# Altium PCB Nestling_2.x_EXB.PcbDoc (part 2 of 2)
Units mm, origin at the board's own origin, x right, y up, seen from the top; angles counter-clockwise.
Board outline 140 x 90 mm, 2 copper layers (Top Layer, Bottom Layer); 103 components, 167 nets, 700 pads, 183 vias.
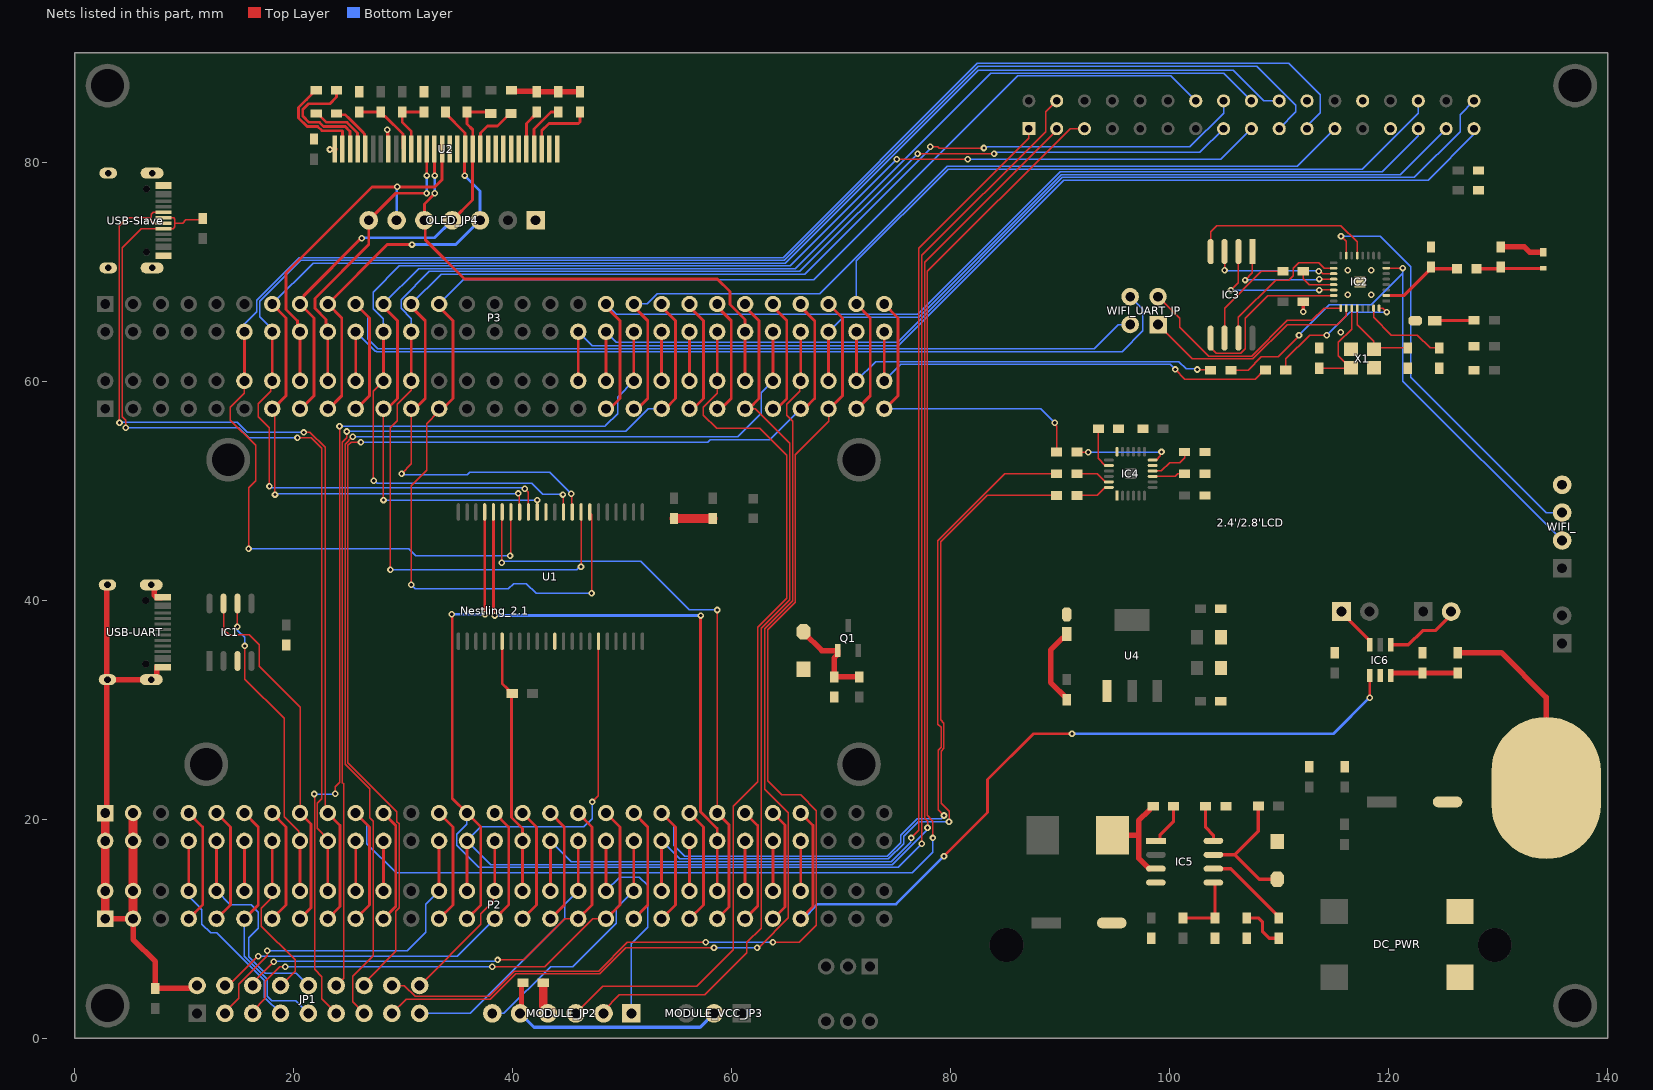
[diagram p2: the nets of this part, all layers, seen from the top]

## Via types
v1: diameter 0.6, hole 0.3, Top Layer to Bottom Layer, 181 vias
v2: diameter 1.8, hole 1.8, Top Layer to Bottom Layer, 1 vias
v3: diameter 1.6, hole 1.6, Top Layer to Bottom Layer, 1 vias

## Nets (pads, with @x,y where several pads share a name; then routed paths per layer and width w, separated by ;. In a path a pad name is that pad's centre, name@x,y a point inside that pad or via, vN(x,y) a via of type N, cw(c..) or ccw(c..) an arc to the next point about the centre after c; other vN are vias at no path point) (continued)
FSMC_D8: 2.4'/2.8'LCD.14 Nestling_2.1.83 P3.25 U1.29 | length 131.1
  Top Layer w0.127: v1(30.734,41.409) 30.734,50.471 32.131,51.868 32.131,56.134 Nestling_2.1.83@33.207,57.21 ; Nestling_2.1.83@33.274,57.277 Nestling_2.1.83@33.274,57.494 ; U1.29@47.031,48.064 46.99,48.023 47.193,47.82 v1(47.193,40.64)
  Top Layer w0.254: Nestling_2.1.83@33.271,57.147 33.337,57.213 34.544,58.42 34.544,65.529 P3.25@33.274,66.799
  Bottom Layer w0.127: v1(30.734,41.409) 31.104,41.039 39.602,41.039 40.092,41.529 41.24,41.529 42.129,40.64 v1(47.193,40.64) ; P3.25@33.274,67.056 35.485,69.267 67.489,69.267 86.106,87.884 100.08,87.884 2.4'/2.8'LCD.14@102.36,85.604
FSMC_D9: 2.4'/2.8'LCD.15 Nestling_2.1.82 P3.24 U1.30 | length 130.3
  Top Layer w0.127: v1(28.829,42.799) 28.829,55.753 29.464,56.388 29.464,57.912 30.72,59.168 30.72,60.02 Nestling_2.1.82@30.734,60.034 ; v1(46.228,43.053) 46.229,43.054 46.229,48.063 U1.30@46.231,48.064 ; v1(76.962,80.772) v1(83.947,80.772)
  Top Layer w0.254: Nestling_2.1.82@30.734,60.034 P3.24@30.734,64.516
  Bottom Layer w0.127: v1(28.829,42.799) 45.846,42.799 46.1,43.053 v1(46.228,43.053) ; P3.24@30.734,64.516 30.734,65.726 29.793,66.666 29.793,67.446 32.376,70.029 66.219,70.029 v1(76.962,80.772) ; v1(83.947,80.772) 83.947,80.899 102.735,80.899 2.4'/2.8'LCD.15@104.9,83.064 2.4'/2.8'LCD.15@104.9,82.771
FSMC_D10: 2.4'/2.8'LCD.16 Nestling_2.1.81 P3.23 U1.31 | length 117.8
  Top Layer w0.127: v1(29.845,51.562) 30.734,52.451 30.734,57.152 30.797,57.215 30.797,57.43 Nestling_2.1.81@30.734,57.494 ; v1(45.339,49.721) 45.398,49.662 45.398,48.097 U1.31@45.431,48.064 ; v1(78.105,81.407) 78.808,81.407 78.918,81.298 v1(83.017,81.298)
  Top Layer w0.254: P3.23@30.734,66.8 32.004,65.53 32.004,58.422 Nestling_2.1.81@30.797,57.215
  Bottom Layer w0.127: v1(29.845,51.562) 29.929,51.478 35.839,51.478 36.058,51.697 43.363,51.697 v1(45.339,49.721) ; P3.23@30.734,67.056 33.453,69.775 66.658,69.775 78.014,81.131 78.014,81.316 v1(78.105,81.407) ; v1(83.017,81.298) 83.107,81.388 83.293,81.388 83.312,81.407 101.821,81.407 104.9,84.486 2.4'/2.8'LCD.16@104.9,85.604
FSMC_D11: 2.4'/2.8'LCD.17 Nestling_2.1.80 P3.22 U1.32 | length 124.1
  Top Layer w0.127: v1(27.305,50.927) 27.253,50.979 27.253,59.093 Nestling_2.1.80@28.194,60.034 ; v1(44.577,49.657) 44.604,49.63 44.604,48.091 U1.32@44.631,48.064 ; v1(75.057,80.264) v1(81.534,80.264)
  Top Layer w0.254: Nestling_2.1.80@28.194,60.034 P3.22@28.194,64.516
  Bottom Layer w0.127: v1(27.305,50.927) 27.387,50.927 27.616,50.698 41.753,50.698 42.752,49.7 44.534,49.7 v1(44.577,49.657) ; P3.22@28.194,64.516 28.194,65.696 27.253,66.637 27.253,68.14 29.65,70.537 65.33,70.537 v1(75.057,80.264) ; v1(81.534,80.264) 104.64,80.264 2.4'/2.8'LCD.17@107.44,83.064 2.4'/2.8'LCD.17@107.44,82.802
FSMC_D12: 2.4'/2.8'LCD.18 Nestling_2.1.79 P3.21 U1.35 | length 123.2
  Top Layer w0.127: v1(28.194,49.149) 28.194,57.152 Nestling_2.1.79@28.194,57.494 ; U1.35@42.231,48.064 42.219,48.076 42.219,49.137 v1(42.231,49.149)
  Top Layer w0.254: Nestling_2.1.79@28.191,57.148 28.194,57.152 29.464,58.422 29.464,65.53 P3.21@28.194,66.8
  Bottom Layer w0.127: v1(28.194,49.149) v1(42.231,49.149) ; P3.21@28.194,67.056 31.421,70.283 65.769,70.283 83.625,88.138 104.906,88.138 2.4'/2.8'LCD.18@107.44,85.604
FSMC_D13: 2.4'/2.8'LCD.19 Nestling_2.1.72 P3.14 U1.36 | length 151.8
  Top Layer w0.127: v1(17.78,50.419) 17.78,55.753 16.764,56.769 16.764,57.962 17.896,59.093 17.896,59.896 Nestling_2.1.72@18.034,60.034 ; v1(41.097,50.19) 41.416,49.871 41.416,48.078 U1.36@41.431,48.064
  Top Layer w0.254: Nestling_2.1.72@18.034,60.034 P3.14@18.034,64.516
  Bottom Layer w0.127: v1(17.78,50.419) 17.925,50.274 41.013,50.274 v1(41.097,50.19) ; P3.14@18.034,64.516 18.034,64.77 16.891,65.913 16.891,67.31 20.626,71.045 64.785,71.045 82.513,88.773 107.95,88.773 111.506,85.217 111.506,84.59 2.4'/2.8'LCD.19@109.98,83.064
FSMC_D14: 2.4'/2.8'LCD.20 Nestling_2.1.71 P3.13 U1.37 | length 144.5
  Top Layer w0.127: Nestling_2.1.71@18.034,57.494 18.078,57.45 18.27,57.258 18.27,49.675 v1(18.288,49.657) ; v1(40.488,49.759) 40.598,49.648 40.598,48.097 U1.37@40.631,48.064
  Top Layer w0.254: P3.13@18.034,67.054 19.304,65.784 19.304,58.676 Nestling_2.1.71@18.078,57.45
  Bottom Layer w0.127: P3.13@18.034,67.056 21.769,70.791 64.89,70.791 82.491,88.392 105.77,88.392 108.558,85.604 2.4'/2.8'LCD.20@109.98,85.604 ; v1(18.288,49.657) 18.351,49.721 40.45,49.721 v1(40.488,49.759)
FSMC_D15: 2.4'/2.8'LCD.21 Nestling_2.1.70 P3.12 U1.38 | length 163.9
  Top Layer w0.127: Nestling_2.1.70@15.494,60.034 15.494,58.892 14.224,57.622 14.224,56.432 16.51,54.146 16.51,50.927 15.875,50.292 v1(15.875,44.704) ; v1(39.751,44.069) 39.831,44.149 U1.38@39.831,48.064
  Top Layer w0.254: Nestling_2.1.70@15.494,60.034 P3.12@15.494,64.516
  Bottom Layer w0.127: P3.12@15.494,64.516 15.494,65.188 16.637,66.331 16.637,67.415 20.52,71.299 64.679,71.299 82.408,89.027 110.871,89.027 113.739,86.159 113.739,84.537 112.52,83.318 2.4'/2.8'LCD.21@112.52,83.064 ; v1(15.875,44.704) 30.507,44.704 31.142,44.069 v1(39.751,44.069)
FSMC_NBL0: Nestling_2.1.45 P2.45 U1.39 | length 55.3
  Top Layer w0.127: v1(38.989,43.434) 39.01,43.455 39.01,48.043 U1.39@39.031,48.064 ; v1(58.671,39.116) 58.672,39.114 58.672,20.576 Nestling_2.1.45@58.674,20.574
  Top Layer w0.254: P2.45@58.671,10.92 59.741,11.99 59.741,19.506 Nestling_2.1.45@58.674,20.572
  Bottom Layer w0.127: v1(38.989,43.434) 39.098,43.543 51.707,43.543 56.134,39.116 v1(58.671,39.116)
FSMC_NBL1: Nestling_2.1.46 P2.46 U1.40 | length 54
  Top Layer w0.254: U1.40@38.231,48.064 38.231,38.825 38.354,38.702 v1(38.354,38.608) ; v1(57.15,38.608) 57.138,38.596 57.138,20.69 58.663,19.165 58.663,18.045 Nestling_2.1.46@58.674,18.034 ; P2.46@58.674,13.507 Nestling_2.1.46@58.674,17.989
  Bottom Layer w0.254: v1(38.354,38.608) v1(57.15,38.608)
FSMC_NE3: Nestling_2.1.32 P2.32 R10.1 U1.6 | length 23.5
  Top Layer w0.254: U1.6@39.031,36.264 39.031,32.421 39.575,31.877 39.575,31.769 39.848,31.496 R10.1@39.956,31.496 ; R10.1@40.079,31.373 39.89,31.184 39.89,20.158 40.883,19.165 40.883,18.045 Nestling_2.1.32@40.894,18.034 ; P2.32@40.891,13.253 P2.32@40.891,13.462 Nestling_2.1.32@40.891,17.735
FSMC_NE4: 2.4'/2.8'LCD.1 Nestling_2.1.34 P2.34 | length 108.9
  Top Layer w0.127: v1(76.391,18.306) 77.089,19.003 77.089,29.083 77.089,72.136 87.12,82.167 2.4'/2.8'LCD.1@87.12,83.064
  Top Layer w0.254: P2.34@43.431,13.253 P2.34@43.431,13.462 Nestling_2.1.34@43.431,17.735
  Bottom Layer w0.127: Nestling_2.1.34@43.434,18.034 45.339,16.129 74.549,16.129 76.339,17.919 76.339,18.253 v1(76.391,18.306) ; 2.4'/2.8'LCD.1@87.12,82.675 2.4'/2.8'LCD.1@87.12,83.064
FSMC_NOE: 2.4'/2.8'LCD.4 Nestling_2.1.27 P2.27 U1.41 | length 162.3
  Top Layer w0.127: v1(77.343,17.771) 77.343,29.083 77.343,71.501 88.646,82.804 88.646,84.59 2.4'/2.8'LCD.4@89.66,85.604
  Top Layer w0.254: v1(34.417,38.735) 34.477,38.675 34.477,21.911 Nestling_2.1.27@35.814,20.574 ; P2.27@35.811,10.919 37.084,12.192 37.084,19.301 Nestling_2.1.27@35.814,20.571 ; U1.41@37.431,48.064 37.431,38.765 v1(37.461,38.735)
  Bottom Layer w0.127: Nestling_2.1.27@35.814,20.574 35.814,19.563 34.873,18.622 34.873,17.644 36.897,15.621 75.193,15.621 v1(77.343,17.771)
  Bottom Layer w0.254: v1(34.417,38.735) v1(37.461,38.735)
FSMC_NWE: 2.4'/2.8'LCD.3 Nestling_2.1.28 P2.28 U1.17 | length 146.6
  Top Layer w0.127: v1(47.244,21.59) 47.798,22.144 47.798,36.231 U1.17@47.831,36.264 ; v1(77.866,19.244) 77.866,19.832 77.597,20.102 77.597,29.083 77.597,70.866 89.66,82.929 2.4'/2.8'LCD.3@89.66,83.064
  Top Layer w0.254: P2.28@35.814,13.507 Nestling_2.1.28@35.814,17.989
  Bottom Layer w0.127: v1(47.244,21.59) 47.244,20.066 46.482,19.304 37.084,19.304 Nestling_2.1.28@35.814,18.034 37.973,15.875 74.654,15.875 77.866,19.087 v1(77.866,19.244)
GND: 2.4'/2.8'LCD.22 2.4'/2.8'LCD.26 2.4'/2.8'LCD.27 3V3_PWR.2 ANT1.2 C1.2 C2.1 C3.1 C4.1 C5.1 C8.2 C9.2 C10.2 C11.2 C12.2 C13.1 C14.1 C15.1 C16.1 C17.2 C18.2 C19.2 C20.1 C21.2 C22.2 C23.2 C26.2 C27.2 C28.2 C29.2 C30.2 C31.2 C32.2 C33.2 C34.2 C35.1 C36.2 C37.1 C38.1 DC_PWR.2 DC_PWR.3 DZ1.1 DZ2.1 IC1.3 IC2.13 IC2.33 IC3.4 IC4.1 IC4.11 IC4.18 IC5.4 IC6.2 JP1.2 LED1.2 MODULE_JP2.4 Nestling_2.1.1 Nestling_2.1.2 Nestling_2.1.3 Nestling_2.1.4 OLED_JP4.1 P2.1 P2.2 P2.3 P2.4 R2.1 R3.1 R8.1 R14.2 R18.1 R21.1 R22.1 R24.2 U1.12 U1.34 U2.1 U2.8 U2.12 U2.16 U2.17 U2.21 U2.22 U2.23 U2.24 U2.25 U2.29 U2.30 U4.1 USB-Slave.1 USB-Slave.2 USB-Slave.3 USB-Slave.4 USB-Slave.A1 USB-Slave.A12 USB-Slave.B1 USB-Slave.B12 USB-UART.1 USB-UART.2 USB-UART.3 USB-UART.4 USB-UART.A1 USB-UART.A12 USB-UART.B1 USB-UART.B12 WIFI_.4 X1.2 X1.4 | length 106.6
  Top Layer w0.127: IC3.4@103.718,71.844 103.718,73.67 104.267,74.219 115.621,74.219 117.098,72.742 IC2.13@117.098,71.479
  Top Layer w0.254: P2.2@2.794,13.761 Nestling_2.1.2@2.794,18.034 ; P2.4@5.334,13.761 Nestling_2.1.4@5.334,18.034
  Top Layer w0.3: v1(28.541,82.962) 28.595,82.907 28.595,81.254 U2.8@28.645,81.204 ; v1(112.179,66.346) C34.2@112.179,67.252
  Top Layer w0.5: P2.1@2.791,10.922 P2.3@5.331,10.922 5.331,9.045 7.366,7.01 C18.2@7.366,4.572 10.922,4.572 JP1.2@11.176,4.826 ; Nestling_2.1.1@2.794,20.574 2.941,20.721 USB-UART.1@2.941,32.759 ; USB-UART.2@2.941,41.409 USB-UART.1@2.941,32.759 ; USB-UART.4@6.941,32.759 USB-UART.1@2.941,32.759 ; USB-UART.3@7.033,41.409 7.264,41.178 7.264,40.451 7.481,40.234 7.881,40.234 USB-UART.A1@7.881,40.334 ; USB-UART.4@7.481,32.99 USB-UART.B1@7.481,33.934 ; v1(23.304,81.161) 23.703,81.161 U2.1@23.745,81.204 ; C28.2@39.878,86.563 39.941,86.5 42.126,86.5 R18.1@42.189,86.436 C26.2@44.164,86.436 C27.2@46.139,86.436 ; C30.2@130.198,72.273 132.358,72.273 132.842,71.789 ANT1.2@134.087,71.789
  Top Layer w0.8: P2.1@2.791,10.922 2.792,10.924 2.792,20.572 Nestling_2.1.1@2.794,20.574 ; P2.3@5.331,10.922 5.332,10.924 5.332,20.572 Nestling_2.1.3@5.334,20.574 ; C19.2@42.778,5.08 42.778,2.957 43.206,2.53 MODULE_JP2.4@43.206,2.286 ; C14.1@54.716,47.463 C15.1@58.272,47.463
  other v1: 115.598,64.481 116.23,67.894 118.389,67.894 116.23,70.129 118.389,70.129
LCD_BL: 2.4'/2.8'LCD.23 Nestling_2.1.97 P3.39 | length 81.3
  Top Layer w0.254: Nestling_2.1.97@51.051,57.148 52.324,58.422 52.324,65.53 P3.39@51.054,66.8
  Bottom Layer w0.127: P3.39@51.054,67.056 52.264,67.056 53.204,67.997 68.018,67.997 79.651,79.629 111.625,79.629 2.4'/2.8'LCD.23@115.06,83.064
LCD_RST: 2.4'/2.8'LCD.5 Nestling_2.1.19 P2.19 | length 140.5
  Top Layer w0.127: v1(78.359,18.306) 78.359,19.848 77.851,20.356 77.851,29.083 77.851,70.025 90.884,83.058 2.4'/2.8'LCD.5@92.202,83.058
  Top Layer w0.254: P2.19@25.651,10.919 26.924,12.192 26.924,19.301 Nestling_2.1.19@25.654,20.571
  Bottom Layer w0.127: Nestling_2.1.19@25.654,20.574 26.674,19.554 26.674,17.776 29.337,15.113 76.454,15.113 78.359,17.018 v1(78.359,18.306)
MODULE_EN: MODULE_JP2.6 Nestling_2.1.40 P2.40 | length 22.8
  Top Layer w0.254: P2.40@51.051,13.253 P2.40@51.051,13.462 Nestling_2.1.40@51.051,17.735
  Bottom Layer w0.127: MODULE_JP2.6@38.126,2.286 39.195,2.286 43.468,6.56 45.479,6.56 49.451,10.532 49.451,11.863 P2.40@51.051,13.462
MODULE_PWR: C19.1 MODULE_JP2.5 MODULE_VCC_JP3.2 | length 21.7
  Top Layer w0.5: MODULE_JP2.5@40.666,2.286 40.795,2.415 40.795,4.951 C19.1@40.924,5.08
  Bottom Layer w0.3: MODULE_JP2.5@40.666,2.286 41.936,1.016 57.103,1.016 MODULE_VCC_JP3.2@58.373,2.286
MODULE_RXD: MODULE_JP2.2 Nestling_2.1.105 P3.47 | length 79.3
  Top Layer w0.127: MODULE_JP2.2@48.286,2.286 48.286,2.515 49.733,3.962 57.531,3.962 61.368,7.8 61.368,8.769 62.674,10.075 62.674,19.561 62.674,37.427 65.303,40.056 65.303,54.331 62.155,57.479 61.542,57.479 61.229,57.479 Nestling_2.1.105@61.214,57.494
  Top Layer w0.254: P3.47@61.214,66.8 62.484,65.53 62.484,58.422 Nestling_2.1.105@61.542,57.479
MODULE_STATE: MODULE_JP2.1 Nestling_2.1.38 P2.38 | length 21.4
  Top Layer w0.254: P2.38@48.511,13.253 P2.38@48.511,13.462 Nestling_2.1.38@48.511,17.735
  Bottom Layer w0.127: P2.38@48.511,13.462 49.781,14.732 51.562,14.732 52.324,13.97 52.324,10.16 50.826,8.662 MODULE_JP2.1@50.826,2.286
MODULE_TXD: MODULE_JP2.3 Nestling_2.1.104 P3.46 | length 81.3
  Top Layer w0.127: MODULE_JP2.3@45.746,2.286 48.21,4.75 56.808,4.75 60.147,8.089 60.147,21.209 62.382,23.444 62.382,37.53 65.024,40.172 65.024,53.238 62.563,55.699 58.604,55.699 57.404,56.899 57.404,57.646 58.674,58.916 Nestling_2.1.104@58.674,60.034
  Top Layer w0.254: Nestling_2.1.104@58.674,60.034 P3.46@58.674,64.516
MPU6050_INT: Nestling_2.1.115 P3.57 R13.1 | length 29.5
  Top Layer w0.127: v1(89.484,56.21) 89.484,56.082 89.656,55.911 R13.1@89.656,53.546
  Top Layer w0.254: Nestling_2.1.115@73.911,57.401 75.184,58.674 75.184,65.783 P3.57@73.914,67.053
  Bottom Layer w0.127: Nestling_2.1.115@73.914,57.494 88.2,57.494 v1(89.484,56.21)
MPU6050_SCL: Nestling_2.1.41 P2.41 R11.1 | length 80.1
  Top Layer w0.127: v1(79.372,20.349) 78.849,20.872 78.849,26.322 79.103,26.576 79.103,28.415 78.816,28.702 78.816,45.444 84.93,51.558 R11.1@89.656,51.558
  Top Layer w0.254: P2.41@53.591,10.919 54.864,12.192 54.864,19.301 Nestling_2.1.41@53.594,20.571
  Bottom Layer w0.127: Nestling_2.1.41@53.594,20.574 54.686,19.482 54.686,17.644 55.694,16.637 74.199,16.637 75.438,17.876 75.438,18.546 76.933,20.041 79.121,20.041 79.372,20.291 v1(79.372,20.349)
MPU6050_SDA: Nestling_2.1.42 P2.42 R12.1 | length 71.6
  Top Layer w0.127: v1(79.832,19.787) 79.862,19.817 79.862,20.719 79.103,21.477 79.103,26.217 79.357,26.471 79.357,28.796 79.07,29.083 79.07,45.339 83.301,49.57 R12.1@89.656,49.57
  Top Layer w0.254: P2.42@53.591,13.253 P2.42@53.591,13.462 Nestling_2.1.42@53.591,17.735
  Bottom Layer w0.127: Nestling_2.1.42@53.594,18.034 55.245,16.383 74.304,16.383 75.692,17.771 75.692,18.441 77.038,19.787 v1(79.832,19.787)
Net3V3_PWR_1: 3V3_PWR.1 R6.1 | length 7.4
  Top Layer w0.5: R6.1@90.58,30.924 90.58,31.032 89.099,32.513 89.099,35.461 90.195,36.557 90.386,36.557 90.58,36.752 3V3_PWR.1@90.58,36.942
NetANT1_1: ANT1.1 C30.1 L2.1 | length 6.2
  Top Layer w0.3: L2.1@127.991,70.266 130.198,70.266 130.351,70.419 130.464,70.306 ANT1.1@134.087,70.306
NetC5_2: C5.2 IC5.8 | length 3.5
  Top Layer w0.3: C5.2@103.251,21.209 103.251,19.262 103.971,18.542 IC5.8@103.971,18.034
NetC6_1: C6.1 R3.2 | length 4.2
  Top Layer w0.3: R3.2@107.023,10.998 108.077,10.998 108.458,10.617 108.458,9.74 109.054,9.144 C6.1@109.931,9.144
NetC6_2: C6.2 IC5.6 | length 7.9
  Top Layer w0.3: IC5.6@103.971,15.494 105.562,15.494 109.931,11.125 C6.2@109.931,10.998
NetC7_1: C7.1 IC5.3 L1.1 | length 9.8
  Top Layer w0.3: 97.1,18.542 97.141,18.583 ; IC5.3@98.096,15.494 IC5.3@98.721,15.494 ; C7.1@98.118,20.851 98.118,20.978 98.349,21.209 C7.1@98.476,21.209
  Top Layer w0.5: L1.1@94.742,18.542 97.1,18.542 ; IC5.3@98.096,15.494 97.141,16.449 97.141,18.583 97.141,19.874 C7.1@98.118,20.851
NetC7_2: C7.2 IC5.1 | length 4
  Top Layer w0.3: IC5.1@98.721,18.034 98.979,18.034 99.104,18.159 99.104,18.583 100.33,19.809 C7.2@100.33,21.209
NetC21_1: C21.1 IC4.20 | length 3.9
  Top Layer w0.127: C21.1@93.466,55.666 93.466,52.957 94.115,52.308 IC4.20@94.425,52.308
NetC23_1: C23.1 IC4.10 | length 4
  Top Layer w0.127: IC4.10@98.425,51.808 99.23,51.808 99.98,52.558 100.895,52.558 101.34,53.003 C23.1@101.34,53.546
NetC24_1: C24.1 U2.2 | length 9.4
  Top Layer w0.254: C24.1@22.056,86.563 21.929,86.563 21.675,86.309 21.675,86.222 21.178,85.725 20.447,84.994 20.447,84.043 21.229,83.261 22.183,83.261 22.564,82.88 24.384,82.88 24.445,82.819 U2.2@24.445,81.204
NetC24_2: C24.2 U2.3 | length 11.3
  Top Layer w0.254: C24.2@23.91,86.563 23.91,85.95 23.304,85.344 21.336,85.344 20.828,84.836 20.828,84.201 21.387,83.642 22.352,83.642 22.733,83.261 24.703,83.261 25.145,82.819 U2.3@25.145,81.204
NetC25_1: C25.1 U2.4 | length 6
  Top Layer w0.254: C25.1@22.056,84.455 22.183,84.455 22.996,83.642 24.861,83.642 25.832,82.671 25.832,81.217 U2.4@25.845,81.204
NetC25_2: C25.2 U2.5 | length 4.7
  Top Layer w0.254: C25.2@23.91,84.455 24.036,84.329 24.712,84.329 25.019,84.023 26.299,82.742 26.472,82.569 26.472,81.277 U2.5@26.545,81.204
NetC26_1: C26.1 U2.27 | length 4.7
  Top Layer w0.254: U2.27@41.945,81.204 41.945,83.042 43.485,84.582 C26.1@44.164,84.582
NetC27_1: C27.1 U2.28 | length 6.4
  Top Layer w0.254: U2.28@42.645,81.204 42.645,82.88 43.295,83.53 45.991,83.53 46.139,83.679 C27.1@46.139,84.582
NetC31_1: C31.1 IC2.2 L2.2 | length 7.5
  Top Layer w0.3: IC2.2@119.748,67.828 121.372,67.828 123.835,70.292 123.861,70.266 L2.2@126.213,70.266
NetC35_2: C35.2 IC2.28 X1.1 | length 7.5
  Top Layer w0.127: IC2.28@117.098,66.678 117.098,65.153 118.598,63.653 118.598,62.956 X1.1@118.627,62.928 118.74,63.041 C35.2@121.709,63.041
NetC36_1: C36.1 IC2.27 X1.3 | length 9.4
  Top Layer w0.127: C36.1@113.64,61.187 116.486,61.187 X1.3@116.527,61.228 116.477,61.228 115.398,62.306 115.39,62.306 115.39,63.544 116.598,64.752 IC2.27@116.598,66.678
NetC38_2: C38.2 IC6.3 R28.1 | length 6.3
  Top Layer w0.5: IC6.3@120.153,33.144 120.153,33.363 C38.2@123.063,33.363 R28.1@126.284,33.363
NetDZ1_2: DZ1.2 IC5.7 R4.1 | length 12.1
  Top Layer w0.3: IC5.7@103.971,16.764 105.918,16.764 ; R4.1@108.077,21.209 108.077,18.923 105.918,16.764 ; DZ1.2@109.804,14.541 108.14,14.541 105.918,16.764
NetDZ2_2: DZ2.2 Q1.1 R7.1 R8.2 | length 8.7
  Top Layer w0.5: DZ2.2@66.548,37.132 66.548,37.069 68.215,35.402 Q1.1@69.662,35.402 69.662,35.052 69.342,34.732 R8.2@69.342,33.013 R7.1@71.628,33.013
NetIC2_21: IC2.21 R25.2 | length 3.7
  Top Layer w0.127: R25.2@112.179,70.046 112.179,69.355 112.706,68.829 IC2.21@114.948,68.829
NetIC2_25: IC2.25 WIFI_UART_JP.3 | length 21.2
  Top Layer w0.127: WIFI_UART_JP.3@98.914,67.721 98.932,67.721 100.895,65.757 100.895,64.943 103.532,62.306 107.482,62.306 110.731,65.555 112.962,65.555 114.085,66.678 IC2.25@115.598,66.678
NetIC2_26: IC2.26 WIFI_UART_JP.1 | length 20.8
  Top Layer w0.127: WIFI_UART_JP.1@98.914,65.181 102.061,62.034 107.569,62.034 110.716,65.181 115.28,65.181 116.098,65.999 IC2.26@116.098,66.678
NetIC2_31: IC2.31 R24.1 | length 8
  Top Layer w0.127: IC2.31@118.598,66.678 118.598,65.832 120.22,64.211 122.595,64.211 123.765,63.041 R24.1@124.587,63.041
NetIC4_9: IC4.9 R14.1 | length 3
  Top Layer w0.127: IC4.9@98.425,51.308 100.466,51.308 100.716,51.558 R14.1@101.34,51.558
NetIC4_12: IC4.12 R13.2 | length 9
  Top Layer w0.127: R13.2@91.51,53.546 91.538,53.518 v1(92.532,53.518) ; IC4.12@98.425,52.808 98.735,52.808 99.139,53.212 99.139,53.455 v1(99.23,53.546)
  Bottom Layer w0.127: v1(92.532,53.518) 92.546,53.532 99.216,53.532 v1(99.23,53.546)
NetIC4_23: IC4.23 R11.2 | length 3.2
  Top Layer w0.127: R11.2@91.51,51.558 93.365,51.558 94.115,50.808 IC4.23@94.425,50.808
NetIC4_24: IC4.24 R12.2 | length 3.2
  Top Layer w0.127: R12.2@91.51,49.57 93.377,49.57 94.115,50.308 IC4.24@94.425,50.308
NetIC5_5: IC5.5 R2.2 R5.2 | length 6.2
  Top Layer w0.3: R5.2@101.206,10.998 R2.2@104.115,10.998 104.115,14.109 103.999,14.224 IC5.5@103.971,14.224
NetIC6_4: IC6.4 TP_JP2.2 | length 6.9
  Top Layer w0.3: IC6.4@120.153,35.944 121.772,35.944 123.068,37.241 124.235,37.241 125.676,38.681 TP_JP2.2@125.676,38.974
NetIC6_6: IC6.6 TP_JP1.1 | length 4.1
  Top Layer w0.3: TP_JP1.1@115.67,38.974 116.37,38.274 116.37,38.177 118.253,36.294 IC6.6@118.253,35.944
NetKEY_TP_1: KEY_TP.1 R28.2 | length 18
  Top Layer w0.5: R28.2@126.284,35.217 130.264,35.217 134.349,31.132 KEY_TP.1@134.349,22.86
NetLED1_1: LED1.1 R23.1 | length 3.6
  Top Layer w0.3: LED1.1@124.178,65.53 124.203,65.555 127.754,65.555 R23.1@127.78,65.581
NetR17_2: R17.2 U2.20 | length 5
  Top Layer w0.254: U2.20@37.045,81.204 37.045,82.677 37.681,83.312 38.589,83.312 39.732,84.455 R17.2@39.84,84.455
NetR18_2: R18.2 U2.26 | length 3.8
  Top Layer w0.254: U2.26@41.245,81.204 41.245,83.53 42.189,84.474 R18.2@42.189,84.582
NetR19_1: R19.1 R21.2 U2.11 | length 5.7
  Top Layer w0.254: U2.11@30.745,81.204 30.723,81.226 30.723,82.835 29.916,83.642 R19.1@29.916,84.582 R21.2@31.882,84.582
NetR20_1: R20.1 R22.2 U2.10 | length 6.3
  Top Layer w0.254: R22.2@25.984,84.582 R20.1@27.95,84.582 27.95,84.474 28.223,84.201 28.331,84.201 29.972,82.56 29.972,81.277 U2.10@30.045,81.204
OLED_CS: Nestling_2.1.76 OLED_JP4.7 P3.18 U2.13 | length 27.5
  Top Layer w0.254: Nestling_2.1.76@23.114,60.034 P3.18@23.114,64.516 22.951,64.679 22.951,65.647 21.929,66.669 21.929,67.564 26.848,72.483 OLED_JP4.7@26.848,74.701 29.311,77.165 30.29,77.165 30.297,77.172 v1(32.131,77.172) ; v1(32.145,78.783) U2.13@32.145,81.204
  Bottom Layer w0.254: v1(32.131,77.172) 32.138,77.179 32.138,78.761 32.131,78.768 v1(32.145,78.783)
OLED_DC: Nestling_2.1.74 OLED_JP4.6 P3.16 U2.15 | length 34
  Top Layer w0.254: Nestling_2.1.74@20.574,60.034 P3.16@20.574,64.516 20.336,64.754 20.336,65.516 19.304,66.548 19.304,69.875 27.155,77.726 32.872,77.726 33.545,78.399 U2.15@33.545,81.204
  Bottom Layer w0.254: OLED_JP4.6@29.388,74.701 29.413,74.727 29.413,77.724 v1(29.439,77.749)
OLED_RES: Nestling_2.1.106 OLED_JP4.5 P3.48 U2.14 | length 47.2
  Top Layer w0.254: U2.14@32.845,81.204 32.859,81.19 32.859,78.796 v1(32.872,78.783) ; v1(32.872,77.165) 32.872,77.13 31.928,76.185 OLED_JP4.5@31.928,74.701 32.004,74.625 32.004,72.926 35.588,69.342 58.671,69.342 59.823,68.19 59.823,67.027 61.203,65.647 61.203,64.527 P3.48@61.214,64.516 Nestling_2.1.106@61.214,60.034
  Bottom Layer w0.254: v1(32.872,77.165) v1(32.872,78.783)
OLED_SCL: Nestling_2.1.75 OLED_JP4.3 P3.17 R16.1 U2.18 | length 39
  Top Layer w0.254: Nestling_2.1.75@23.111,57.401 24.384,58.674 24.384,65.783 P3.17@23.114,67.053 ; P3.17@23.114,67.056 28.541,72.483 v1(30.797,72.483) ; R16.1@33.848,84.582 33.848,84.474 35.645,82.677 U2.18@35.645,81.204 35.603,81.161 v1(35.603,78.783)
  Bottom Layer w0.254: v1(30.797,72.483) 34.789,72.483 OLED_JP4.3@37.008,74.701 37.008,77.377 v1(35.603,78.783)
OLED_SDA: Nestling_2.1.73 OLED_JP4.4 P3.15 R15.1 R17.1 U2.19 | length 41.5
  Top Layer w0.254: Nestling_2.1.73@20.571,57.402 21.844,58.676 21.844,65.784 P3.15@20.574,67.054 ; P3.15@20.574,67.056 20.574,67.393 20.911,67.73 20.911,67.81 26.158,73.057 v1(26.209,73.057) ; OLED_JP4.4@34.468,74.701 36.322,76.556 36.322,81.181 U2.19@36.345,81.204 36.345,82.962 35.814,83.493 R15.1@35.814,84.582 37.859,84.582 R17.1@37.986,84.455
  Bottom Layer w0.127: P3.15@20.574,67.056 P3.15@20.955,67.056
  Bottom Layer w0.254: v1(26.209,73.057) 26.253,73.101 32.868,73.101 OLED_JP4.4@34.468,74.701
OV_D0: JP1.16 Nestling_2.1.111 P3.53 | length 104.9
  Top Layer w0.127: JP1.16@28.956,4.826 30.095,4.826 31.086,3.835 37.833,3.835 40.145,6.147 47.827,6.147 50.451,8.771 v1(57.611,8.771) ; v1(63.754,8.769) 66.173,8.769 67.729,10.325 67.729,20.79 66.277,22.242 64.55,22.242 63.271,23.52 63.271,37.305 65.811,39.845 65.811,51.417 65.811,53.304 68.834,56.326 Nestling_2.1.111@68.834,57.494 Nestling_2.1.111@68.878,57.45
  Top Layer w0.254: P3.53@68.834,67.054 70.104,65.784 70.104,58.676 Nestling_2.1.111@68.878,57.45
  Bottom Layer w0.127: v1(57.611,8.771) 63.752,8.771 v1(63.754,8.769)
OV_D1: JP1.15 Nestling_2.1.110 P3.52 | length 96
  Top Layer w0.127: JP1.15@28.956,2.286 30.251,3.581 37.939,3.581 40.25,5.893 47.932,5.893 50.32,8.28 v1(58.373,8.28) ; v1(62.306,8.28) 62.434,8.28 62.587,8.434 62.593,8.434 65.164,11.005 65.164,19.61 65.164,20.6 63.017,22.746 63.017,37.411 65.557,39.951 65.557,56.363 65.024,56.896 65.024,57.897 66.221,59.093 66.221,59.961 Nestling_2.1.110@66.294,60.034
  Top Layer w0.254: Nestling_2.1.110@66.294,60.034 P3.52@66.294,64.516
  Bottom Layer w0.127: v1(58.373,8.28) v1(62.306,8.28)
OV_D2: JP1.14 Nestling_2.1.109 P3.51 | length 105.9
  Top Layer w0.127: v1(26.137,54.434) 25.231,54.434 24.943,54.146 24.943,25.155 29.412,20.686 29.412,19.803 29.629,19.586 29.629,11.91 29.312,11.592 29.312,7.95 26.416,5.055 JP1.14@26.416,4.826 ; Nestling_2.1.109@66.294,57.494 Nestling_2.1.109@66.638,57.494
  Top Layer w0.254: P3.51@66.294,66.799 67.564,65.529 67.564,58.42 Nestling_2.1.109@66.638,57.494
  Bottom Layer w0.127: v1(26.137,54.434) 57.803,54.434 58.039,54.67 63.47,54.67 Nestling_2.1.109@66.294,57.494
OV_D3: JP1.13 Nestling_2.1.108 P3.50 | length 101.3
  Top Layer w0.127: v1(25.378,54.924) 25.362,54.924 24.689,54.251 24.689,25.05 26.924,22.815 26.924,20.158 27.241,19.841 27.241,7.531 25.375,5.664 25.375,3.327 JP1.13@26.416,2.286
  Top Layer w0.254: Nestling_2.1.108@63.754,60.034 P3.50@63.754,64.516
  Bottom Layer w0.127: v1(25.378,54.924) 60.522,54.924 62.687,57.09 62.687,58.967 Nestling_2.1.108@63.754,60.034
OV_D4: JP1.12 Nestling_2.1.99 P3.41 | length 91.3
  Top Layer w0.127: JP1.12@23.876,4.826 24.549,5.499 24.549,23.25 24.435,23.364 24.435,23.47 24.435,54.434 24.841,54.84 v1(24.841,55.415) ; Nestling_2.1.99@53.594,57.494 Nestling_2.1.99@53.938,57.494
  Top Layer w0.254: P3.41@53.594,66.799 54.864,65.529 54.864,58.42 Nestling_2.1.99@53.938,57.494
  Bottom Layer w0.127: v1(24.841,55.415) 50.305,55.415 52.384,57.494 Nestling_2.1.99@53.594,57.494
OV_D5: JP1.11 Nestling_2.1.98 P3.40 | length 90.5
  Top Layer w0.127: v1(21.882,22.314) 21.896,22.3 21.896,6.298 22.555,5.639 22.555,3.607 JP1.11@23.876,2.286 ; v1(23.8,22.327) 23.8,22.987 24.181,23.368 v1(24.181,55.905)
  Top Layer w0.254: Nestling_2.1.98@51.051,59.78 P3.40@51.051,64.262
  Bottom Layer w0.127: v1(21.882,22.314) 23.787,22.314 v1(23.8,22.327) ; v1(24.181,55.905) 48.438,55.905 48.505,55.972 49.581,57.048 49.581,58.561 Nestling_2.1.98@51.054,60.034
OV_D6: JP1.10 Nestling_2.1.10 P2.10 | length 20.1
  Top Layer w0.254: P2.10@12.954,13.507 Nestling_2.1.10@12.954,17.989
  Bottom Layer w0.127: P2.10@12.951,13.462 14.224,12.189 16.11,12.189 16.764,11.535 16.764,10.052 15.9,9.188 15.9,7.448 17.404,5.944 20.218,5.944 JP1.10@21.336,4.826
OV_D7: JP1.9 Nestling_2.1.11 P2.11 | length 23
  Top Layer w0.254: P2.11@15.491,10.92 16.764,12.194 16.764,19.302 Nestling_2.1.11@15.494,20.572
  Bottom Layer w0.127: P2.11@15.491,10.922 15.491,7.498 17.577,5.412 17.577,3.864 17.985,3.456 20.166,3.456 JP1.9@21.336,2.286
OV_HREF: JP1.6 Nestling_2.1.35 P2.35 | length 43.1
  Top Layer w0.127: JP1.6@16.256,4.826 16.256,5.08 v1(18.174,6.998) ; v1(38.608,7.163) 41.002,7.163 44.761,10.922 P2.35@45.971,10.922
  Top Layer w0.254: P2.35@45.971,10.919 47.244,12.192 47.244,19.301 Nestling_2.1.35@45.974,20.571
  Bottom Layer w0.127: v1(18.174,6.998) 18.22,7.044 38.489,7.044 v1(38.608,7.163)
OV_PCLK: JP1.7 Nestling_2.1.8 P2.8 | length 19.5
  Top Layer w0.254: P2.8@10.414,13.507 Nestling_2.1.8@10.414,17.989
  Bottom Layer w0.127: P2.8@10.411,13.462 10.411,13.008 ccw(c10.538,13.01) 10.448,12.92 11.176,12.192 11.616,11.752 11.616,10.437 12.401,9.652 12.978,9.652 17.323,5.307 17.323,3.759 JP1.7@18.796,2.286
OV_PWDN: JP1.18 Nestling_2.1.30 P2.30 | length 16
  Top Layer w0.127: JP1.18@31.496,4.826 37.084,10.414 37.084,11.372 38.234,12.521 38.234,13.345 P2.30@38.351,13.462
  Top Layer w0.254: P2.30@38.354,13.507 Nestling_2.1.30@38.354,17.989
OV_RESET: JP1.17 Nestling_2.1.36 P2.36 | length 24.4
  Top Layer w0.254: P2.36@45.971,13.253 P2.36@45.971,13.462 Nestling_2.1.36@45.971,17.735
  Bottom Layer w0.127: JP1.17@31.496,2.286 36.125,2.286 44.764,10.925 44.764,12.255 P2.36@45.971,13.462
OV_SCL: JP1.3 Nestling_2.1.26 P2.26 | length 31.2
  Top Layer w0.127: JP1.3@13.716,2.286 13.716,2.379 14.986,3.649 14.986,4.957 17.577,7.548 v1(17.577,8.001)
  Top Layer w0.254: P2.26@33.274,13.507 Nestling_2.1.26@33.274,17.989
  Bottom Layer w0.127: v1(17.577,8.001) 30.353,8.001 32.064,9.712 32.064,12.255 P2.26@33.271,13.462
OV_SDA: JP1.4 Nestling_2.1.29 P2.29 | length 37.9
  Top Layer w0.127: JP1.4@13.716,4.826 14.034,4.826 16.705,7.498 v1(16.764,7.498)
  Top Layer w0.254: P2.29@38.351,10.92 39.624,12.194 39.624,19.302 Nestling_2.1.29@38.354,20.572
  Bottom Layer w0.127: v1(16.764,7.498) 34.927,7.498 P2.29@38.351,10.922
OV_VSYNC: JP1.5 Nestling_2.1.37 P2.37 | length 47.6
  Top Layer w0.127: JP1.5@16.256,2.286 16.256,2.492 17.413,3.649 17.413,5.224 18.737,6.548 19.223,6.548 v1(19.228,6.553) ; v1(38.126,6.553) 42.932,6.553 47.301,10.922 P2.37@48.511,10.922
  Top Layer w0.254: P2.37@48.511,10.92 49.784,12.194 49.784,19.302 Nestling_2.1.37@48.514,20.572
  Bottom Layer w0.127: v1(19.228,6.553) v1(38.126,6.553)
OV_XCLK: JP1.8 Nestling_2.1.14 P2.14 | length 15.4
  Top Layer w0.127: P2.14@18.031,13.462 18.031,12.9 17.018,11.887 17.018,10.262 20.117,7.163 20.117,6.147 JP1.8@18.796,4.826
  Top Layer w0.254: P2.14@18.034,13.507 Nestling_2.1.14@18.034,17.989
PA0: Nestling_2.1.107 P3.49 | length 10.7
  Top Layer w0.254: Nestling_2.1.107@63.751,57.147 65.024,58.42 65.024,65.529 P3.49@63.754,66.799
PA4: Nestling_2.1.103 P3.45 | length 10.7
  Top Layer w0.254: Nestling_2.1.103@58.671,57.148 59.944,58.422 59.944,65.53 P3.45@58.674,66.8
PA5: Nestling_2.1.102 P3.44 | length 4.5
  Top Layer w0.254: Nestling_2.1.102@56.134,60.034 P3.44@56.134,64.516
PA6: Nestling_2.1.101 P3.43 | length 10.7
  Top Layer w0.254: Nestling_2.1.101@56.131,57.147 57.404,58.42 57.404,65.529 P3.43@56.134,66.799
PA7: Nestling_2.1.100 P3.42 | length 4.5
  Top Layer w0.254: Nestling_2.1.100@53.591,59.78 P3.42@53.591,64.262
PA9: IC1.7 Nestling_2.1.15 P2.15 | length 33.4
  Top Layer w0.127: IC1.7@13.589,39.454 13.589,37.334 14.089,36.834 15.953,36.834 16.84,35.947 16.84,33.96 20.574,30.226 Nestling_2.1.15@20.574,20.574
  Top Layer w0.254: P2.15@20.571,10.92 21.578,11.928 21.578,19.568 Nestling_2.1.15@20.574,20.572
PA10: IC1.6 Nestling_2.1.16 P2.16 | length 28.5
  Top Layer w0.127: v1(14.859,37.592) IC1.6@14.859,39.709 ; v1(15.539,35.834) 15.539,32.797 19.126,29.21 19.126,20.218 20.444,18.9 20.444,18.164 Nestling_2.1.16@20.574,18.034
  Top Layer w0.254: P2.16@20.574,13.507 Nestling_2.1.16@20.574,17.989
  Bottom Layer w0.127: v1(14.859,37.592) 14.859,37.284 15.539,36.604 v1(15.539,35.834)
PA11: Nestling_2.1.17 P2.17 USB-Slave.A7 USB-Slave.B7 | length 88
  Top Layer w0.127: v1(4.089,56.21) 4.089,74.181 4.827,74.919 6.985,74.919 ; USB-Slave.A7@8.108,74.426 7.163,74.426 6.985,74.604 6.985,74.919 ; USB-Slave.B7@8.108,75.426 8.095,75.413 7.163,75.413 6.985,75.235 6.985,74.919 ; v1(20.911,55.331) 21.484,55.331 22.86,53.955 22.86,52.834 22.86,20.828 Nestling_2.1.17@23.114,20.574
  Top Layer w0.254: P2.17@23.111,10.919 24.232,12.04 24.232,19.453 Nestling_2.1.17@23.114,20.571
  Bottom Layer w0.127: v1@4.123,56.243 14.829,56.243 15.742,55.331 v1(20.911,55.331)
PA12: Nestling_2.1.18 P2.18 R9.2 USB-Slave.A6 USB-Slave.B6 | length 86.2
  Top Layer w0.127: v1(4.657,55.753) 4.657,56.455 4.343,56.769 4.343,72.212 6.057,73.926 USB-Slave.B6@8.108,73.926 8.977,73.926 9.144,74.093 9.144,74.45 ; USB-Slave.A6@8.108,74.926 9.026,74.926 9.144,74.808 9.144,74.45 ; R9.2@11.684,74.733 10.134,74.733 9.851,74.45 9.144,74.45 ; v1(20.336,54.84) 21.615,54.84 22.555,53.901 22.555,52.834 22.555,21.869 22.15,21.463 22.15,19.165 23.114,18.201 Nestling_2.1.18@23.114,18.034
  Top Layer w0.254: P2.18@23.114,13.507 Nestling_2.1.18@23.114,17.989
  Bottom Layer w0.127: v1(4.657,55.753) 14.961,55.753 15.873,54.84 v1(20.336,54.84)
PB1: 2.4'/2.8'LCD.34 Nestling_2.1.96 P3.38 | length 94.1
  Top Layer w0.254: Nestling_2.1.96@48.511,59.78 P3.38@48.511,64.262
  Bottom Layer w0.127: P3.38@48.514,64.516 49.455,63.575 75.154,63.575 90.192,78.613 122.301,78.613 126.492,82.804 126.492,84.336 2.4'/2.8'LCD.34@127.76,85.604
PB2: 2.4'/2.8'LCD.29 Nestling_2.1.95 P3.37 | length 92.7
  Top Layer w0.254: Nestling_2.1.95@48.511,57.148 49.784,58.422 49.784,65.53 P3.37@48.514,66.8
  Bottom Layer w0.127: P3.37@48.514,67.056 49.455,66.115 76.976,66.115 89.981,79.121 119.38,79.121 122.68,82.421 2.4'/2.8'LCD.29@122.68,83.064
PB4: Nestling_2.1.39 P2.39 | length 10.7
  Top Layer w0.254: P2.39@51.051,10.92 52.324,12.194 52.324,19.302 Nestling_2.1.39@51.054,20.572
PB8: Nestling_2.1.43 P2.43 | length 10.7
  Top Layer w0.254: P2.43@56.131,10.919 57.404,12.192 57.404,19.301 Nestling_2.1.43@56.134,20.571
PB9: Nestling_2.1.44 P2.44 | length 4.5
  Top Layer w0.254: P2.44@56.134,13.507 Nestling_2.1.44@56.134,17.989
PB10: Nestling_2.1.78 P3.20 WIFI_UART_JP.4 | length 81.5
  Top Layer w0.254: Nestling_2.1.78@25.654,60.034 P3.20@25.654,64.516
  Bottom Layer w0.127: P3.20@25.654,64.516 27.432,62.738 27.536,62.738 27.561,62.713 95.633,62.713 97.536,64.616 97.536,66.559 WIFI_UART_JP.4@96.374,67.721
PB11: Nestling_2.1.77 P3.19 WIFI_UART_JP.2 | length 85.3
  Top Layer w0.254: Nestling_2.1.77@25.651,57.401 26.924,58.674 26.924,65.783 P3.19@25.654,67.053
  Bottom Layer w0.127: P3.19@25.654,67.056 26.76,65.95 26.76,63.873 27.667,62.967 93.091,62.967 95.305,65.181 WIFI_UART_JP.2@96.374,65.181
PC8: Nestling_2.1.12 P2.12 | length 4.5
  Top Layer w0.254: P2.12@15.494,13.507 Nestling_2.1.12@15.494,17.989
PC9: Nestling_2.1.13 P2.13 | length 10.7
  Top Layer w0.254: P2.13@18.031,10.92 19.304,12.194 19.304,19.302 Nestling_2.1.13@18.034,20.572
PC10: Nestling_2.1.20 P2.20 | length 4.5
  Top Layer w0.254: P2.20@25.654,13.507 Nestling_2.1.20@25.654,17.989
PC11: Nestling_2.1.21 P2.21 | length 10.6
  Top Layer w0.254: P2.21@28.191,10.92 29.312,12.041 29.312,19.455 Nestling_2.1.21@28.194,20.572
PC12: Nestling_2.1.22 P2.22 | length 4.5
  Top Layer w0.254: P2.22@28.194,13.507 Nestling_2.1.22@28.194,17.989
PC13: Nestling_2.1.52 P2.52 | length 4.5
  Top Layer w0.254: P2.52@66.294,13.507 Nestling_2.1.52@66.294,17.989
PD2: Nestling_2.1.25 P2.25 | length 10.7
  Top Layer w0.254: P2.25@33.271,10.919 34.544,12.192 34.544,19.301 Nestling_2.1.25@33.274,20.571
PE2: Nestling_2.1.47 P2.47 | length 10.6
  Top Layer w0.254: P2.47@61.211,10.92 62.357,12.067 62.357,19.429 Nestling_2.1.47@61.214,20.572
PE3: Nestling_2.1.48 P2.48 | length 4.5
  Top Layer w0.254: P2.48@61.214,13.507 Nestling_2.1.48@61.214,17.989
PE4: Nestling_2.1.49 P2.49 | length 10.6
  Top Layer w0.254: P2.49@63.751,10.919 64.846,12.014 64.846,19.479 Nestling_2.1.49@63.754,20.571
PE5: Nestling_2.1.50 P2.50 | length 4.5
  Top Layer w0.254: P2.50@63.754,13.507 Nestling_2.1.50@63.754,17.989
PE6: IC6.1 Nestling_2.1.51 P2.51 | length 74.7
  Top Layer w0.254: P2.51@66.291,10.919 67.412,12.04 67.412,19.453 Nestling_2.1.51@66.294,20.571 ; v1(79.372,16.637) 83.356,20.621 83.356,23.641 87.528,27.813 v1(91.059,27.813) ; v1(118.237,31.115) 118.245,31.123 118.245,33.136 IC6.1@118.253,33.144
  Bottom Layer w0.254: P2.51@66.291,10.922 66.485,10.922 67.818,12.255 74.99,12.255 v1(79.372,16.637) ; v1(91.059,27.813) 114.935,27.813 v1(118.237,31.115)
PF6: Nestling_2.1.116 P3.58 R26.2 | length 40.8
  Top Layer w0.127: v1(100.478,61.081) 101.362,60.198 107.779,60.198 108.617,61.036 R26.2@108.725,61.036
  Top Layer w0.254: Nestling_2.1.116@73.911,60.288 P3.58@73.911,64.77
  Bottom Layer w0.127: Nestling_2.1.116@73.914,60.034 75.424,61.544 100.016,61.544 v1(100.478,61.081)
PF8: Nestling_2.1.114 P3.56 R27.2 | length 37.9
  Top Layer w0.127: v1(102.486,61.073) 103.662,61.073 R27.2@103.718,61.016
  Top Layer w0.254: Nestling_2.1.114@71.371,60.288 P3.56@71.371,64.77
  Bottom Layer w0.127: Nestling_2.1.114@71.374,60.034 73.138,61.798 100.813,61.798 101.473,61.138 102.421,61.138 v1(102.486,61.073)
PF9: 2.4'/2.8'LCD.30 Nestling_2.1.113 P3.55 | length 72.7
  Top Layer w0.254: Nestling_2.1.113@71.371,57.402 72.644,58.676 72.644,65.784 P3.55@71.374,67.054
  Bottom Layer w0.127: P3.55@71.374,67.056 71.374,70.993 79.756,79.375 117.569,79.375 122.68,84.486 2.4'/2.8'LCD.30@122.68,85.604
PF10: 2.4'/2.8'LCD.31 Nestling_2.1.112 P3.54 | length 68.6
  Top Layer w0.254: Nestling_2.1.112@68.834,60.034 P3.54@68.834,64.516
  Bottom Layer w0.127: P3.54@68.834,64.516 70.179,65.861 77.081,65.861 90.087,78.867 121.023,78.867 2.4'/2.8'LCD.31@125.22,83.064
PF11: 2.4'/2.8'LCD.33 Nestling_2.1.94 P3.36 | length 95.3
  Top Layer w0.254: Nestling_2.1.94@45.971,59.78 P3.36@45.971,64.262
  Bottom Layer w0.127: P3.36@45.974,64.516 47.244,63.246 75.184,63.246 90.297,78.359 123.571,78.359 127.76,82.548 2.4'/2.8'LCD.33@127.76,83.064
PG6: Nestling_2.1.7 P2.7 | length 10.7
  Top Layer w0.254: P2.7@10.411,10.922 11.684,12.195 11.684,19.304 Nestling_2.1.7@10.414,20.574
PG8: Nestling_2.1.9 P2.9 | length 10.7
  Top Layer w0.254: P2.9@12.951,10.92 14.224,12.194 14.224,19.302 Nestling_2.1.9@12.954,20.572
PG9: Nestling_2.1.31 P2.31 | length 10.7
  Top Layer w0.254: P2.31@40.891,10.92 42.164,12.194 42.164,19.302 Nestling_2.1.31@40.894,20.572
PG11: Nestling_2.1.33 P2.33 | length 10.7
  Top Layer w0.254: P2.33@43.431,10.919 44.704,12.192 44.704,19.301 Nestling_2.1.33@43.434,20.571
SD_CLK: IC3.6 R25.1 | length 9.5
  Top Layer w0.127: IC3.6@104.988,63.944 104.988,66.673 108.36,70.046 R25.1@110.325,70.046
SD_CMD: IC2.20 IC3.1 | length 11
  Top Layer w0.127: v1(106.861,69.24) 107.528,69.908 IC3.1@107.528,71.844 ; v1(113.64,69.329) IC2.20@114.948,69.329
  Bottom Layer w0.127: v1(106.861,69.24) 106.905,69.285 113.595,69.285 v1(113.64,69.329)
SD_D0: IC2.22 IC3.2 | length 13.2
  Top Layer w0.127: v1(105.572,68.328) 106.258,69.014 IC3.2@106.258,71.844 ; v1(113.64,68.328) 113.644,68.333 114.943,68.333 IC2.22@114.948,68.328
  Bottom Layer w0.127: v1(105.572,68.328) v1(113.64,68.328)
SD_D1: IC2.23 IC3.5 | length 16.1
  Top Layer w0.127: IC3.5@103.718,63.944 103.718,63.069 104.227,62.56 106.465,62.56 106.861,62.956 106.861,65.763 108.927,67.829 IC2.23@114.948,67.828
SD_D2: IC2.18 IC3.7 | length 13.3
  Top Layer w0.127: IC3.7@106.258,63.944 106.258,65.834 109.665,69.24 110.871,69.24 111.277,69.647 111.277,70.321 111.785,70.829 113.6,70.829 114.1,70.329 IC2.18@114.948,70.329
SD_D3: IC2.19 IC3.3 | length 11.8
  Top Layer w0.127: v1(104.988,70.129) IC3.3@104.988,71.844 ; v1(113.6,70.055) 113.728,70.055 113.954,69.829 IC2.19@114.948,69.829
  Bottom Layer w0.127: v1(104.988,70.129) 105.025,70.092 113.562,70.092 v1(113.6,70.055)
WIFI_EN: IC2.7 R27.1 WIFI_.2 | length 52.3
  Top Layer w0.127: R27.1@105.572,61.016 107.143,61.016 108.36,62.234 109.908,62.234 111.785,64.111 v1(111.785,64.198) ; IC2.7@119.748,70.329 119.75,70.331 121.258,70.331 v1(121.26,70.333)
  Bottom Layer w0.127: v1(111.785,64.198) 114.566,66.98 118.389,66.98 121.252,69.842 121.252,70.325 v1(121.26,70.333) 121.26,60.02 WIFI_.2@135.813,45.466
WIFI_GPIO0: IC2.15 WIFI_.3 | length 38.5
  Top Layer w0.127: v1(115.621,73.254) 116.098,72.777 IC2.15@116.098,71.479
  Bottom Layer w0.127: v1(115.621,73.254) 119.202,73.254 121.996,70.46 121.996,60.35 134.341,48.006 WIFI_.3@135.813,48.006
WIFI_RST: IC2.32 R26.1 | length 12.8
  Top Layer w0.127: R26.1@110.579,61.036 110.579,62.034 112.756,64.211 v1(114.325,64.211) ; IC2.32@119.098,66.678 119.427,66.678 v1(119.786,66.319)
  Bottom Layer w0.127: v1(114.325,64.211) 116.434,66.319 v1(119.786,66.319)
pads on no net: 2.4'/2.8'LCD. 2.4'/2.8'LCD.32 IC1.4 IC2.5 IC2.6 IC2.8 IC2.9 IC2.10 IC2.12 IC2.14 IC2.16 IC2.24 IC4.2 IC4.3 IC4.4 IC4.5 IC4.6 IC4.7 IC4.14 IC4.15 IC4.16 IC4.17 IC4.19 IC4.21 IC4.22 IC4.25 Nestling_2.1.0 SW1.1 SW1.6 U2.7 USB-Slave.0 USB-Slave.A5 USB-Slave.A8 USB-Slave.B5 USB-Slave.B8 USB-UART.0 USB-UART.A5 USB-UART.A8 USB-UART.B5 USB-UART.B8
copper on no net:
  other v2: 120.742,9.988
  other v3: 120.742,5.488

## Polygon pours and split planes (outlines as drawn)
GND on Top Layer "Top Layer-No Net" (solid, pour order 5): 0,0 140,0 140,90 0,90
12V on Top Layer "12V_L01_P003" (solid, pour order 3): 109.054,20.193 113.615,20.193 114.046,20.624 114.046,23.749 109.39,23.749 109.054,23.412
12V on Top Layer "12V_L01_P001" (solid, pour order 1): 114.992,19.05 121.158,19.05 121.158,22.949 120.231,23.876 112.014,23.876 111.76,23.622 111.76,21.844 117.094,21.844 117.348,21.59 117.348,20.828 117.094,20.574 114.992,20.574
12V_IN on Top Layer "12V_IN_L01_P000" (solid, pour order 0): 116.713,2.667 117.094,3.048 117.094,18.542 113.538,18.542 112.649,17.653 112.649,2.667
GND on Bottom Layer "Top Layer-No Net1" (solid, pour order 6): 0,0 140,0 140,90 0,90

## Keep-outs
Keep-Out Layer:
  the board outline again, w0.254

## Other copper
Top Layer:
  rectangle net 5V_USB: 7.163,72.126 8.977,72.483
  rectangle net 5V_USB: 7.068,76.926 8.661,77.318
  rectangle net 3V3: 20.444,36.601 21.615,39.334
  rectangle net 3V3: 95.758,40.157 97.425,43.409
  rectangle net 5V_USB: 9.398,28.956 11.43,32.385
  rectangle net 5V_IN: 73.101,34.087 74.778,36.752
  rectangle net 5V_IN: 86.792,20.672 89.891,22.428
  rectangle net 5V: 105.994,40.488 108.458,45.568
  rectangle net 5V_USB: 6.96,34.442 8.763,34.976
  rectangle net 5V_USB: 6.985,39.167 8.763,39.751
Bottom Layer:
  rectangle net 3V3: 20.447,36.449 21.793,39.472
  rectangle net 5V_USB: 70.129,37.414 71.145,39.624
  rectangle net 5V: 105.994,40.513 108.407,45.593

## Silkscreen, mask and mechanical layers (free items; w line width, h text height)
Top Overlay:
  drawing of 3300 lines, arcs and shapes, not listed
  text "LCD-TFT" at 76.343,82.195 h2.5
  text "CS DS RES SDA SCL 3V3 GND" at 25.141,76.09 h1.5
  text "ESP8266EX" at 102.492,75.085 h2.5
  text "Nestling_2.1_EXB" at 50.165,75.057 h2.5
  text "LXG 2020" at 50.165,72.771 h2
  text "OLED SPI" at 30.528,72.407 h1.5
  text "TX" at 95.271,69.24 h1.5
  text "RX" at 98.523,69.24 h1.5
  text "ESP8266" at 100.569,69.07 h1.5 r270
  text "UART3" at 94.808,64.231 h1.5 r90
  text "RX" at 95.234,62.687 h1.5
  text "TX" at 98.476,62.687 h1.5
  text "A12" at 5.588,61.722 h1 r90
  text "MPU6050" at 86.219,58.194 h2.5
  text "TP" at 113.393,42.748 h2.5
  text "LDO" at 87.666,41.811 h2.5
  text "3V3 EN IO0 GND" at 134.349,41.672 h1.5 r90
  text "TOG 3V3" at 114.054,40.385 h1.5
  text "3V3 AHL" at 121.828,40.385 h1.5
  text "WIFI配置" at 132.909,40.369 h1.5
  text "WIFI供电" at 132.925,33.669 h1.5
  text "A12" at 8.128,14.732 h1 r90
  text "PWDN RST" at 33.037,7.193 h1.5 r270
  text "摄像头" at 10.5,6.486 h1.5
  text "DC - DC" at 99.791,5.743 h2.5
  text "模块接口" at 46.207,5.089 h1.5
  text "模块供电配置" at 54.44,5.094 h1.5
  text "EN PW GND TX RX STA" at 37.103,3.7 h1.5
  text "5V   CON  3V3" at 54.296,3.7 h1.5
  text "DC 6~12V" at 103.741,1.171 h2.5
  text "3V3 GND" at 9.635,0.877 h1.5 r90

## Text inside footprints (layer, text, board x,y; h text height)
2.4'/2.8'LCD: Top Overlay "D14" at 109.145,87.164 h0.71; Top Overlay "RS" at 86.645,87.164 h0.71; Top Overlay "CS" at 86.612,80.778 h0.71; Top Overlay "WR" at 89.152,80.778 h0.71; Top Overlay "RST" at 91.311,80.778 h0.71; Top Overlay "D1" at 94.359,80.778 h0.71; Top Overlay "D2" at 94.27,87.164 h0.71; Top Overlay "D3" at 96.772,80.778 h0.71; Top Overlay "D4" at 96.77,87.164 h0.71; Top Overlay "D5" at 99.312,80.778 h0.71; Top Overlay "D6" at 99.395,87.164 h0.71; Top Overlay "D8" at 101.52,87.164 h0.71; Top Overlay "D9" at 104.265,80.778 h0.71; Top Overlay "D12" at 106.645,87.164 h0.71; Top Overlay "D15" at 111.758,80.778 h0.71; Top Overlay "VDD" at 116.711,80.778 h0.71; Top Overlay "VDD" at 119.27,87.164 h0.71; Top Overlay "GND" at 116.645,87.164 h0.71; Top Overlay "VDD" at 114.145,87.164 h0.71; Top Overlay "D10" at 104.02,87.164 h0.71; Top Overlay "D0" at 91.77,87.164 h0.71; Top Overlay "RD" at 89.145,87.164 h0.71; Top Overlay "GND" at 111.645,87.164 h0.71; Top Overlay "GND" at 119.124,80.778 h0.71; Top Overlay "D11" at 106.678,80.778 h0.71; Top Overlay "PEN" at 124.331,80.778 h0.71; Top Overlay "CLK" at 126.77,87.164 h0.71; Top Overlay "MOSI" at 121.52,87.164 h0.71; Top Overlay "MO" at 124.77,87.164 h0.71; Top Overlay "TCS" at 126.871,80.778 h0.71; Top Overlay "MISO" at 121.41,80.778 h0.71; Top Overlay "BL" at 114.679,80.778 h0.71; Top Overlay "D14" at 109.147,87.158 h0.71; Top Overlay "RS" at 86.647,87.158 h0.71; Top Overlay "CS" at 86.614,80.772 h0.71; Top Overlay "WR" at 89.154,80.772 h0.71; Top Overlay "RST" at 91.313,80.772 h0.71; Top Overlay "D1" at 94.361,80.772 h0.71; Top Overlay "D2" at 94.272,87.158 h0.71; Top Overlay "D3" at 96.774,80.772 h0.71; Top Overlay "D4" at 96.772,87.158 h0.71; Top Overlay "D5" at 99.314,80.772 h0.71; Top Overlay "D6" at 99.397,87.158 h0.71; Top Overlay "D8" at 101.522,87.158 h0.71; Top Overlay "D9" at 104.267,80.772 h0.71; Top Overlay "D13" at 109.147,80.762 h0.71; Top Overlay "D12" at 106.647,87.158 h0.71; Top Overlay "D15" at 111.76,80.772 h0.71; Top Overlay "VDD" at 116.713,80.772 h0.71; Top Overlay "VDD" at 119.272,87.158 h0.71; Top Overlay "GND" at 116.647,87.158 h0.71; Top Overlay "VDD" at 114.147,87.158 h0.71; Top Overlay "D10" at 104.022,87.158 h0.71; Top Overlay "D0" at 91.772,87.158 h0.71; Top Overlay "RD" at 89.147,87.158 h0.71; Top Overlay "GND" at 111.647,87.158 h0.71; Top Overlay "GND" at 119.126,80.772 h0.71; Top Overlay "D11" at 106.68,80.772 h0.71; Top Overlay "PEN" at 124.333,80.772 h0.71; Top Overlay "CLK" at 126.772,87.158 h0.71; Top Overlay "MOSI" at 121.522,87.158 h0.71; Top Overlay "MO" at 124.772,87.158 h0.71; Top Overlay "TCS" at 126.873,80.772 h0.71; Top Overlay "MISO" at 121.412,80.772 h0.71; Top Overlay "BL" at 114.681,80.772 h0.71; Top Overlay "D7" at 101.473,80.772 h0.71
Nestling_2.1: Top Overlay "Type-C" at 3.259,24.816 h1 r90; Top Overlay "USB" at 5.418,26.467 h1 r90
U2: Top Overlay "OLED_0.96_128*64" at 27.845,70.844 h0.8; Top Overlay "1" at 23.622,78.359 h1; Top Overlay "30" at 42.672,78.359 h1